# Altium PCB Spektrop2_Processor_Board_V1.PcbDoc (part 2 of 5) (continued)
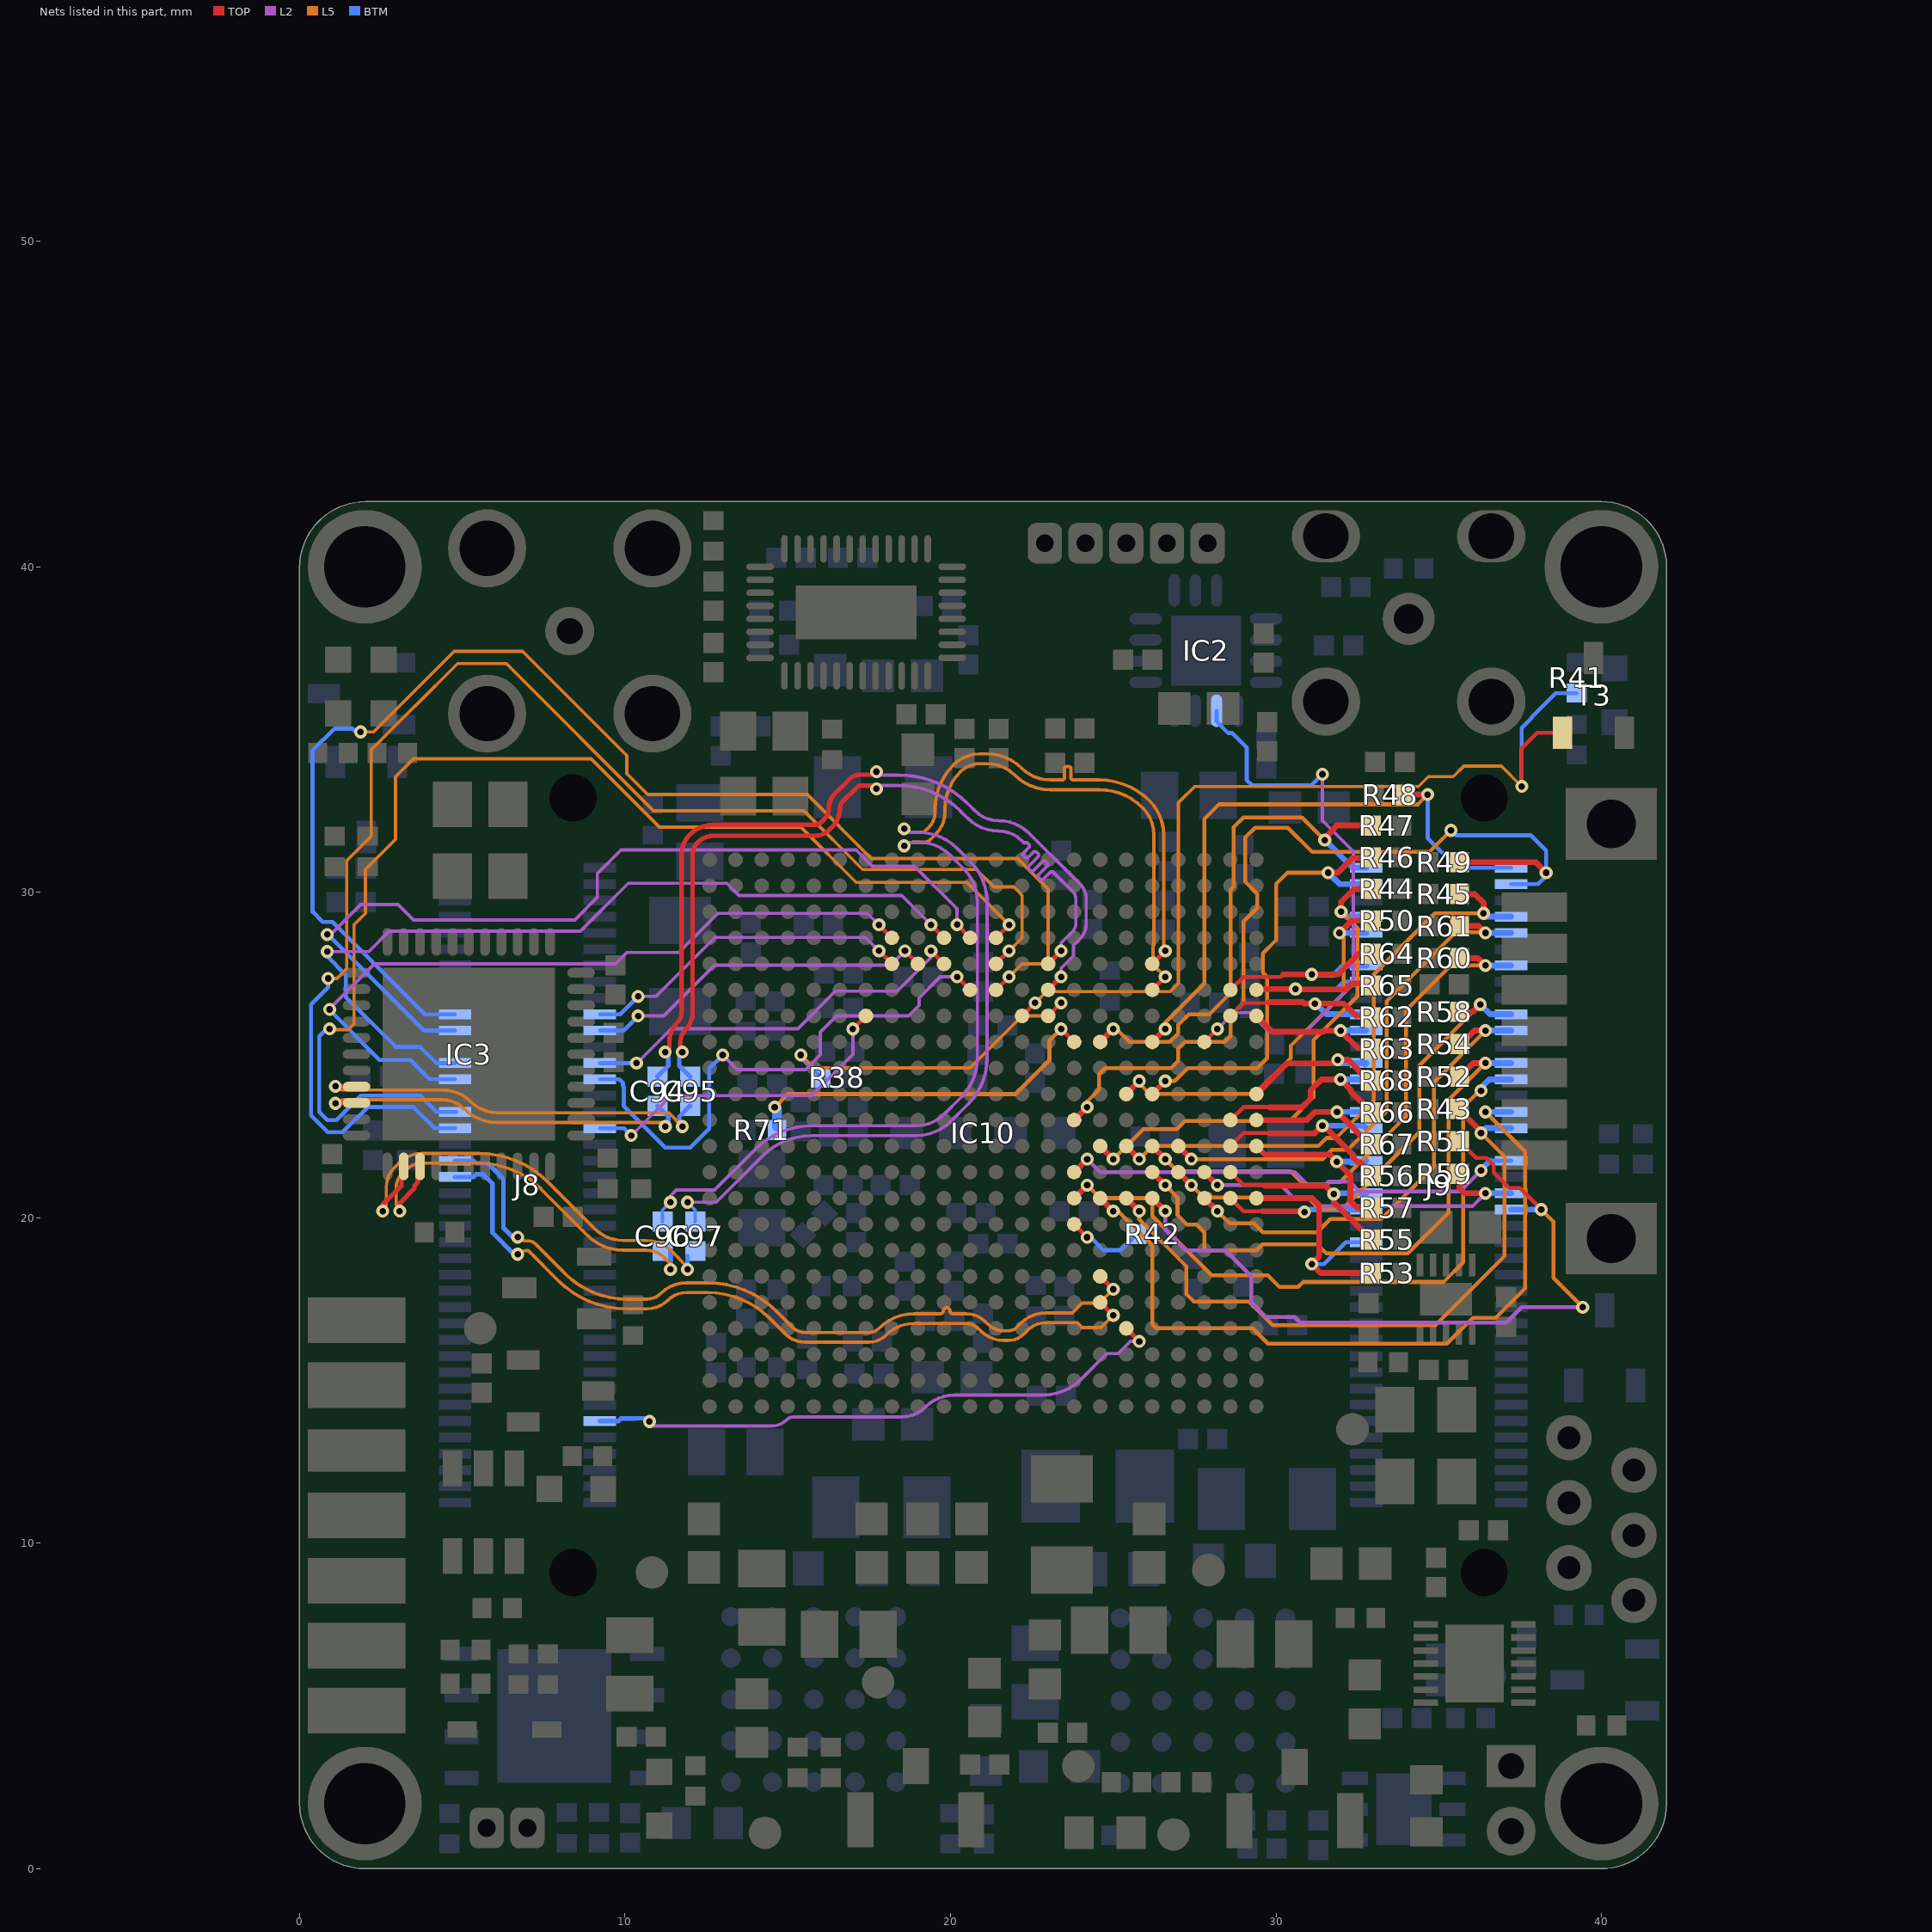
[diagram p8: the nets of this part, all layers, seen from the top]
## Part data (continued)
IC3: "Low-Jitter, 10 or 4-Output, Any-Frequency, Any-Output Clock Generator", Case=QFN44, Manufacturer="SILICON LABS", Author="CERN DEM JLC", Bonding=No, ComponentHeight=0.9mm, Component Type=Standard, CreateDate=14-Dec-17, Device=SI5340B-D-GM, HelpURL=\\cern.ch\dfs\Applications\Altium\Datasheets\SI5340B-D-GM.pdf, LatestRevisionDate=14-Dec-17, Manufacturer Part Number=SI5340B-D-GM, Mounted=Yes, PackageDescription="QFN,0.50mm Pitch, Square; 44 Pin, 7.00mm L X 7.00mm W X 0.90mm H Body (W/Thermal Tab 5.3mm X 5.3mm), IPC Medium Density", Part Description="Low-Jitter, 10 or 4-Output, Any-Frequency, Any-Output Clock Generator", Part Number=SI5340B-D-GM, Pin Count=45, PressFit=No, Sense=No, SMD=Yes, Socket=No
IC4 IC5: "3.6V-20V To 1.5V-12V, Dual 2A or Single 4A  Ultrathin Step-Down DC/DC µModule Regulator", Case=BGA25, Manufacturer="LINEAR TECHNOLOGY", Author="CERN DEM MR", Bonding=No, ComponentHeight=2.62mm, Component Type=Standard, CreateDate=29-Sep-17, Device=LTM4622AEY#PBF, HelpURL=\\cern.ch\dfs\Applications\Altium\Datasheets\LTM4622AEY#PBF.pdf, LatestRevisionDate=29-Sep-17, Manufacturer Part Number=LTM4622AEY#PBF, Mounted=Yes, PackageDescription="BGA, 1.27mm Pitch, Square; 25 Pin, 5 Columns X 5 Rows, 6.25mm X 6.25mm X 2.62mm H", Part Description="3.6V-20V To 1.5V-12V, Dual 2A or Single 4A  Ultrathin Step-Down DC/DC µModule Regulator", Part Number=LTM4622AEY#PBF, Pin Count=25, PressFit=No, Sense=No, SMD=Yes, Socket=No
IC8: "16Mbps Full Duplex RS-485 Transceivers with Low-Voltage Logic Interface", Case=SON14, Manufacturer=MAXIM, Author="CERN DEM JLC", Bonding=No, ComponentHeight=0.8mm, Component Type=Standard, CreateDate=18-Dec-17, Device=MAX13433EETD+, HelpURL=\\cern.ch\dfs\Applications\Altium\Datasheets\MAX13433EETD+.pdf, LatestRevisionDate=18-Dec-17, Manufacturer Part Number=MAX13433EETD+, Mounted=Yes, PackageDescription="SON, 0.40mm Pitch; 14 Pin, 3.00mm W X 3.00mm L X 0.80mm H Body (w/Thermal Tab1.8mm x 2.4mm)", Part Description="16Mbps Full Duplex RS-485 Transceivers with Low-Voltage Logic Interface", Part Number=MAX13433EETD+, Pin Count=15, PressFit=No, Sense=No, SMD=Yes, Socket=No
IC9: "12G UHD-SDI Re-timing Cable Driver", Case=QFN40, Manufacturer=SEMTECH, Author="CERN DEM JLC", Bonding=No, ComponentHeight=1mm, Component Type=Standard, CreateDate=21-Nov-17, Device=GS12281-INE3, HelpURL=\\cern.ch\dfs\Applications\Altium\Datasheets\GS12281-INE3.pdf, LatestRevisionDate=21-Nov-17, Manufacturer Part Number=GS12281-INE3, Mounted=Yes, PackageDescription="QFN, 0.40mm Pitch, Rect., Pin 1 on Short Dimension; 40 Pin, 4.00mm L X 6.00mm W X 1.00mm H Body (w/Thermal Tab 3.70 X 1.68 mm), IPC Medium Density", Part Description="12G UHD-SDI Re-timing Cable Driver", Part Number=GS12281-INE3, Pin Count=41, PressFit=No, Sense=No, SMD=Yes, Socket=No
IC10: "667 MHz Zynq™-7000 AP SoC, 130 PS I/O, 150 FPGA I/O, 484-Ball BGA, Speed Grade 2, Extended Grade, Pb-Free", Case=BGA484, Manufacturer=XILINX, Author="CERN DEM BC", Bonding=No, ComponentHeight=1.6mm, ComponentLink1Description=Package/Pinout, ComponentLink1URL=\\cern.ch\dfs\Applications\Altium\Datasheets\XC7Z015-2CLG485E_Package-Pinout.pdf, Component Type=Standard, CreateDate=7/21/2015, Device=XC7Z015-2CLG485E, HelpURL=\\cern.ch\dfs\Applications\Altium\Datasheets\XC7Z015-2CLG485E.pdf, LatestRevisionDate=7/21/2015, Manufacturer Part Number=XC7Z015-2CLG485E, Mounted=Yes, PackageDescription="BGA, 0.80mm Pitch, Square; 484 Pin, 22 Columns X 22 Rows, Body 19.00mm X 19.00mm X 1.60mm H, IPC Medium Density", Part Description="667 MHz Zynq™-7000 AP SoC, 130 PS I/O, 150 FPGA I/O, 484-Ball BGA, Speed Grade 2, Extended Grade, Pb-Free", Part Number=XC7Z015-2CLG485E, Pin Count=484, PressFit=No, Sense=No, SMD=Yes, Socket=No
IC11: "2-A Peak Sink / Source DDR Termination Regulator With VTTREF Buffered Reference for DDR2, DDR3 and DDR3L", Case=SON10, Manufacturer="TEXAS INSTRUMENTS", Author="CERN DEM JLC", Bonding=No, ComponentHeight=0.8mm, Component Type=Standard, CreateDate=22-Jan-15, Device=TPS51206DSQT, HelpURL=\\cern.ch\dfs\Applications\Altium\Datasheets\TPS51206DSQT.pdf, LatestRevisionDate=30-Mar-17, Manufacturer Part Number=TPS51206DSQT, Mounted=Yes, PackageDescription="SON, 0.40mm Pitch; 10 Pin, 2.00mm W X 2.00mm L X 0.80mm H Body, (w/thermal tab 1.00 X 1.60 mm), IPC Medium Density", Part Description="2A Peak Sink / Source DDR Termination Regulator With VTTREF Buffered Reference for DDR2, DDR3 and DDR3L", Part Number=TPS51206DSQT, Pin Count=11, PressFit=No, Sense=No, SMD=Yes, Socket=No, Status="Not Recommended"
IC12: "128 Mbit (16 Mbyte), 3.0 V Quad SPI FL-L  NOR Flash Memory", Case=SON8, Manufacturer=CYPRESS, Author="CERN DEM MR", Bonding=No, ComponentHeight=0.8mm, Component Type=Standard, CreateDate=07-Aug-17, Device=S25FL128LAGNFV01, HelpURL=\\cern.ch\dfs\Applications\Altium\Datasheets\S25FL128LAGNFV01.pdf, LatestRevisionDate=07-Aug-17, Manufacturer Part Number=S25FL128LAGNFV01, Mounted=Yes, PackageDescription="SON, 1.27mm pitch, 8 pin, 6.00mm W X 5.00mm L X 0.80mm H body (w/thermal tab  3.50 X 4.10 mm), IPC Medium Density", Part Description="128 Mbit (16 Mbyte), 3.0 V Quad SPI FL-L  NOR Flash Memory", Part Number=S25FL128LAGNFV01, Pin Count=9, PressFit=No, Sense=No, SMD=Yes, Socket=No
IC13: "1A Low Dropout CMOS Linear Regulators Stable with Ceramic Output Capacitors", Case=SON6, Manufacturer="TEXAS INSTRUMENTS", Author="CERN DEM MR", Bonding=No, ComponentHeight=0.8mm, Component Type=Standard, CreateDate=30-Jun-17, Device=LP38693SDX-5.0/NOPB, HelpURL=\\cern.ch\dfs\Applications\Altium\Datasheets\LP38693SDX-5.0-NOPB.pdf, LatestRevisionDate=30-Jun-17, Manufacturer Part Number=LP38693SDX-5.0/NOPB, Mounted=Yes, PackageDescription="SON, 0.95mm Pitch; 6 Pin, 3.00mm W X 3mm L X 0.80mm H body (w/Thermal Tab 1.7mm x 2.2mm)", Part Description="5V, 1A Low Dropout CMOS Linear Regulators Stable With Ceramic Output Capacitors", Part Number=LP38693SDX-5.0/NOPB, Pin Count=7, PressFit=No, Sense=No, SMD=Yes, Socket=No
J1: library part AMPHENOL_282139-75, Manufacturer=AMPHENOL, Manufacturer Part Number=282139-75, Author="CERN DEM JLC", ComponentHeight=7.4mm, Component Type=Standard, CreateDate=16-Nov-17, Family=75R, HelpURL=\\cern.ch\dfs\Applications\Altium\Datasheets\AMPHENOL_282139-75.pdf, LatestRevisionDate=16-Nov-17, Mounted=Yes, Part Description="75 Ohm 1.0/2.3 Right Angle Through Hole PCB Jack", Part Number=AMPHENOL_282139-75, Pin Count=2, PressFit=No, Sense=No, SMD=No, Socket=No, Status=None
J2: library part MOLEX_53047-0210, "Connector 2 Male", Manufacturer=MOLEX, Manufacturer Part Number=53047-0210, Author="CERN DEM JLC", ComponentHeight=4.2mm, Component Type=Standard, CreateDate=20-Mar-13, Family=PicoBlade, HelpURL=\\cern.ch\dfs\Applications\Altium\Datasheets\MOLEX_53047-0210.pdf, LatestRevisionDate=20-Mar-13, Mounted=Yes, Part Description="1.25mm Pitch PicoBlade™ Wire-to-Board 2 Circuits Vertical Header with Friction Lock", Part Number=MOLEX_53047-0210, Pin Count=2, PressFit=No, Sense=No, SMD=No, Socket=No, Status=None
J6: library part MOLEX_52030-0629, "Connector 6 Female", Manufacturer=MOLEX, Manufacturer Part Number=52030-0629, Author="CERN DEM JLC", ComponentHeight=6.7mm, Component Type=Standard, CreateDate=05-Nov-14, Family=FFC/FPC, HelpURL=\\cern.ch\dfs\Applications\Altium\Datasheets\MOLEX_52030-0629.pdf, LatestRevisionDate=05-Dec-14, Mounted=Yes, Part Description="6 Contacts, 1.0mm Pitch, Vertical Through-Hole FFC/FPC Connector", Part Number=MOLEX_52030-0629, Pin Count=6, PressFit=No, Sense=No, SMD=No, Socket=No, Status=None
J7: library part 3M_5607-4200-SH, "7 Pin + 1 Shield SATA Receptacle", Manufacturer=3M, Manufacturer Part Number=5607-4200-SH, Author="CERN DEM JLC", ComponentHeight=4mm, Component Type=Standard, CreateDate=14-Feb-11, Family=SATA, HelpURL=\\cern.ch\dfs\Applications\Altium\Datasheets\3M_5607-4200-SH.pdf, LatestRevisionDate=31-May-11, Mounted=Yes, Part Description="Signal Plug, Surfacemount, Right Angle,  Serial Advanced Technology Attachment (SATA) Connector, 5607 Series", Part Number=3M_5607-4200-SH, Pin Count=8, PressFit=No, Sense=No, SMD=Yes, Socket=No, Status=None
J8 J9: library part SAMTEC_ERF5-040-05.0-L-DV-K, "Connector 80 Female", Manufacturer=SAMTEC, Manufacturer Part Number=ERF5-040-05.0-L-DV-K, Author="CERN DEM MR", ComponentHeight=4.91mm, Component Type=Standard, CreateDate=10-Mar-16, Family="Socket 80", HelpURL=\\cern.ch\dfs\Applications\Altium\Datasheets\SAMTEC_ERF5-040-05.0-L-DV-K.pdf, LatestRevisionDate=10-Mar-16, Mounted=Yes, Part Description="80 Contacts, Pitch 0.5mm, Edge Rate™ Rugged High Speed Straight Socket Strip", Part Number=SAMTEC_ERF5-040-05.0-L-DV-K, Pin Count=80, PressFit=No, Sense=No, SMD=Yes, Socket=No, Status=None
J10: library part AMPHENOL_34-1030-12G, Manufacturer=AMPHENOL-RF, Manufacturer Part Number=34-1030-12G, Author="CERN DEM JLC", ComponentHeight=8.5mm, Component Type=Standard, CreateDate=21-Feb-17, Family=HD-BNC, HelpURL=\\cern.ch\dfs\Applications\Altium\Datasheets\AMPHENOL_34-1030-12G.pdf, LatestRevisionDate=21-Feb-17, Mounted=Yes, Part Description="75 Ohms HD-BNC Right Angle PCB Receptacle (Jack)", Part Number=AMPHENOL_34-1030-12G, Pin Count=2, PressFit=No, Sense=No, SMD=No, Socket=No, Status=None
J11: library part MOLEX_87831-1420_h, "Connector 14 Male", Manufacturer=MOLEX, Manufacturer Part Number=87831-1420, Author="CERN DEM JLC", ComponentHeight=3.15mm, Component Type=Standard, CreateDate=13-Apr-10, Family=Milli-Grid™, HelpURL=\\cern.ch\dfs\Applications\Altium\Datasheets\MOLEX_87831-1420.pdf, LatestRevisionDate=13-Apr-10, Mounted=Yes, Part Description="2.00mm (.079\") Pitch Milli-Grid™ Header, Vertical, Shrouded, Center Polarization Slot, Locking Window, 14 Circuits (Customized PCB Edge assembly)", Part Number=MOLEX_87831-1420_h, Pin Count=14, PressFit=No, Sense=No, SMD=No, Socket=No, Status=None
J12: library part HARWIN_M22-2510205, "Connector 2 Male", Manufacturer=HARWIN, Manufacturer Part Number=M22-2510205, Author="CERN DEM JLC", ComponentHeight=5mm, Component Type=Standard, CreateDate=21-Jan-15, Family="Header 2", HelpURL=\\cern.ch\dfs\Applications\Altium\Datasheets\HARWIN_M22-2510205.pdf, LatestRevisionDate=14-Apr-15, Mounted=Yes, Part Description="2 Contacts - Pitch 2mm - Single Row Through Mount Straight Header (Post Lead = 3.5mm, Tail Lead 2.3mm, Insulator 1.5mm)", Part Number=HARWIN_M22-2510205, Pin Count=2, PressFit=No, Sense=No, SMD=No, Socket=No, Status=None
J13: library part MOLEX_53047-0510, "Connector 5 Male", Manufacturer=MOLEX, Manufacturer Part Number=53047-0510, Author="CERN DEM JLC", ComponentHeight=4.2mm, Component Type=Standard, CreateDate=12-Mar-13, Family=PicoBlade, HelpURL=\\cern.ch\dfs\Applications\Altium\Datasheets\MOLEX_53047-0510.pdf, LatestRevisionDate=12-Mar-13, Mounted=Yes, Part Description="1.25mm Pitch PicoBlade™ Wire-to-Board 5 Circuits Vertical Header with Friction Lock", Part Number=MOLEX_53047-0510, Pin Count=5, PressFit=No, Sense=No, SMD=No, Socket=No, Status=None
L2 L3 L4 L5 L6 L7 L8 L9 L10 L11 L12: library part IND0603_MURATA_BLM18SG121TN1D, "Inductor", Case=0603, Manufacturer=MURATA, Manufacturer Part Number=BLM18SG121TN1D, Power=3A, Resistance=0.025R, Tolerance=±25%, Author="CERN DEM JLC", ComponentHeight=0.65mm, Component Type=Standard, HelpURL=\\cern.ch\dfs\Applications\Altium\Datasheets\IND0603_MURATA_BLM18S.pdf, Mounted=Yes, Part Description="SMD EMIFIL Suppression Chip Ferrite Bead", Part Number=IND0603_MURATA_BLM18SG121TN1D, Pin Count=2, Sense=No, SMD=Yes, Socket=No, Status=None
  L2 L3 L4 L5 L6 L7 L8: CreateDate=23.07.2014, LatestRevisionDate=23.07.2014
  L9 L10 L11: ClassName=Artix, CreateDate=23.07.2014, LatestRevisionDate=23.07.2014
  L12: CreateDate=7/23/2014, LatestRevisionDate=7/23/2014
LD1 LD5 LD6 LD7 LD8: library part LED_KINGBRIGHT_KPH-1608CGCK, "LED Green 1C 2A", Manufacturer=KINGBRIGHT, Manufacturer Part Number=KPH-1608CGCK, Author="CERN DEM JLC", Bonding=No, Color=Green, ComponentHeight=0.65mm, Component Type=Standard, CreateDate=03-Jul-17, HelpURL=\\cern.ch\dfs\Applications\Altium\Datasheets\LED_KINGBRIGHT_KPH-1608CGCK.pdf, LatestRevisionDate=03-Jul-17, Mounted=Yes, PackageDescription="SMT Green LED, Case 0603, Body L 1.6 x W 0.8mm H 0.65mm", Part Description="SMD Green LED, Case 1.6mmX0.8mm(0603), 0.65mm Thickness", Part Number=LED_KINGBRIGHT_KPH-1608CGCK, Pin Count=2, PressFit=No, Sense=No, SMD=Yes, Socket=No
OSC1: library part OSC_27MHZ_EPSON_SG-210SEB, "Oscillator 4 pins 1=\ST 2=GND 3=OUT 4=VCC", Manufacturer="EPSON TOYOCOM", Manufacturer Part Number="SG-210SEB C 27MHZ", Author="CERN DEM JLC", Bonding=No, ComponentHeight=0.9mm, ComponentLink1Description="Ordering Informations", ComponentLink1URL=\\cern.ch\dfs\Applications\Altium\Datasheets\OSC_EPSON_SG-210_Ordering-Informations.pdf, Component Type=Standard, CreateDate=05-Oct-09, HelpURL=\\cern.ch\dfs\Applications\Altium\Datasheets\OSC_EPSON_SG-210.pdf, LatestRevisionDate=05-Oct-09, Mounted=Yes, PackageDescription="Oscillator, corner concave; 4 pin, 2.50mm L X 2.00mm W X 0.90mm H, IPC Medium Density", Part Description="1.8V Surface Mount Crystal Oscillator With Standby Function (SG-210 Series)", Part Number=OSC_27MHZ_EPSON_SG-210SEB, Pin Count=4, PressFit=No, Sense=No, SMD=Yes, Socket=No
OSC2: library part OSC_33.33333MHZ_SI-TIME_SiT1602AC-23-18E, "Oscillator 4 pins 1=OE 2=GND 3=OUT 4=VDD", Manufacturer="SI TIME", Manufacturer Part Number=SiT1602AC-23-18E-33.33333, Author="CERN DEM JLC", Bonding=No, ComponentHeight=0.8mm, Component Type=Standard, CreateDate=08-Jul-14, HelpURL=\\cern.ch\dfs\Applications\Altium\Datasheets\OSC_SI-TIME_SiT1602.pdf, LatestRevisionDate=22-Oct-14, Mounted=Yes, PackageDescription="Si Time Oscillators, 4 Pin, Pitch 2.1mm, 3.2mm x 2.5mm x0.75mm", Part Description="1.8V, ±50ppm, 15pF, -20..70°C, 3.2x2.5mm Surface Mount LVCMOS/HCMOS Low Power Frequency Oscillator (SiT1602 Series)", Part Number=OSC_33.33333MHZ_SI-TIME_SiT1602AC-23-18E, Pin Count=4, PressFit=No, Sense=No, SMD=Yes, Socket=No
PB1 PB2: library part PB_OMRON_B3U-1100P, "Push-Button Switch SPDT", Manufacturer=OMRON, Author="CERN DEM JLC", ComponentHeight=1.75mm, Component Type=Standard, CreateDate=3/16/2010, Family="Push Button", HelpURL=\\cern.ch\dfs\Applications\Altium\Datasheets\PB_OMRON_B3U-1100P.pdf, LatestRevisionDate=3/16/2010, Manufacturer Part Number=PB_OMRON_B3U-1100P, Mounted=Yes, PackageDescription="Body 1.2x3x2.5mm Ultra-Small Tactile SPST Pushbutton Switch, (with Ground Terminal), OMRON B3U Series", Part Description="3x2.5mm Ultra-Small Tactile SPST Pushbutton Switch (with Ground Terminal),Contact Rating 50mA 12VDC, B3U Series", Part Number=PB_OMRON_B3U-1100P, Pin Count=3, PressFit=No, Sense=No, SMD=Yes, Socket=No, Status=None
Q1: library part XTAL_48MHZ_TXC_7M-48.000MAHV, "Crystal 4 pins 1=XTAL Control 2=GND3=XTAL 4=GND", Manufacturer="TXC CORPORATION", Manufacturer Part Number=7M-48.000MAHV, Author="CERN DEM MR", Bonding=No, ComponentHeight=0.8mm, Component Type=Standard, CreateDate=30-May-16, HelpURL=\\cern.ch\dfs\Applications\Altium\Datasheets\XTAL_TXC_7M.pdf, LatestRevisionDate=30-May-16, Mounted=Yes, PackageDescription="4 Pins, 2.5x3.2mm, SMD Sealing Crystal, 7M Serie", Part Description="±30ppm 8pF -40°C to +85°C  4 Pins, 3.2x2.5X0.8mm, SMD Sealing Crystal, 7M Series", Part Number=XTAL_48MHZ_TXC_7M-48.000MAHV, Pin Count=4, PressFit=No, Sense=No, SMD=Yes, Socket=No
R5 R34: library part R0402_75R_1%_0.0625W_100PPM, "Resistor - 1%", Case=0402, Manufacturer=GENERIC, Manufacturer1 ComponentHeight=0.4mm, Manufacturer1 Example="YAGEO PHYCOMP", Manufacturer1 Part Number=232270677509L, Power=0.0625W, Tolerance=±1%, Author="CERN DEM JLC", Component Type=Standard, HelpURL=\\cern.ch\dfs\Applications\Altium\Datasheets\R0402_Phycomp_RC0402.pdf, Manufacturer Part Number=R0402_75R_1%_0.0625W_100PPM, Mounted=Yes, Part Description="General Purpose Thick Film Chip Resistor", Part Number=R0402_75R_1%_0.0625W_100PPM, Pin Count=2, PressFit=No, Sense=No, SMD=Yes, Socket=No, Status="Not Recommended", TC=±100ppm/°C
  R5: CreateDate=12/3/2007, LatestRevisionDate=10/17/2012
  R34: CreateDate=03-Dec-07, LatestRevisionDate=17-Oct-12
R6 R7 R8 R9 R10 R11 R31 R33 R37 R40 R76: library part R0402_4K7_1%_0.0625W_100PPM, "Resistor - 1%", Case=0402, Manufacturer=GENERIC, Manufacturer1 ComponentHeight=0.4mm, Manufacturer1 Example="YAGEO PHYCOMP", Manufacturer1 Part Number=232270674702L, Power=0.0625W, Tolerance=±1%, Author="CERN DEM JLC", Component Type=Standard, HelpURL=\\cern.ch\dfs\Applications\Altium\Datasheets\R0402_Phycomp_RC0402.pdf, Manufacturer Part Number=R0402_4K7_1%_0.0625W_100PPM, Mounted=Yes, Part Description="General Purpose Thick Film Chip Resistor", Part Number=R0402_4K7_1%_0.0625W_100PPM, Pin Count=2, PressFit=No, Sense=No, SMD=Yes, Socket=No, Status="Not Recommended", TC=±100ppm/°C
  R6 R7 R8 R9 R10 R11 R37 R40 R76: CreateDate=12/3/2007, LatestRevisionDate=10/17/2012
  R31 R33: CreateDate=03-Dec-07, LatestRevisionDate=17-Oct-12
R12 R15 R18 R19 R83: library part R0402_10K_1%_0.0625W_100PPM, "Resistor - 1%", Case=0402, Manufacturer=GENERIC, Manufacturer1 ComponentHeight=0.4mm, Manufacturer1 Example="YAGEO PHYCOMP", Manufacturer1 Part Number=232270671003L, Power=0.0625W, Tolerance=±1%, Author="CERN DEM JLC", Component Type=Standard, HelpURL=\\cern.ch\dfs\Applications\Altium\Datasheets\R0402_Phycomp_RC0402.pdf, Manufacturer Part Number=R0402_10K_1%_0.0625W_100PPM, Mounted=Yes, Part Description="General Purpose Thick Film Chip Resistor", Part Number=R0402_10K_1%_0.0625W_100PPM, Pin Count=2, PressFit=No, Sense=No, SMD=Yes, Socket=No, Status="Not Recommended", TC=±100ppm/°C
  R12 R15 R18 R19: CreateDate=03-Dec-07, LatestRevisionDate=17-Oct-12
  R83: CreateDate=12/3/2007, LatestRevisionDate=10/17/2012
R13: library part R0603_60K4_0.1%_0.063W_10PPM, "Resistor - 0.1%", Case=0603, Manufacturer=GENERIC, Manufacturer1 ComponentHeight=0.5mm, Manufacturer1 Example="TYCO HOLSWORTHY", Manufacturer1 Part Number=RN73C1J60K4BTDF, Power=0.063W, Tolerance=±0.1%, Author="CERN DEM JLC", Component Type=Standard, CreateDate=03-Dec-07, HelpURL=\\cern.ch\dfs\Applications\Altium\Datasheets\R0603_Tyco_RN73.pdf, LatestRevisionDate=13-Mar-08, Manufacturer Part Number=R0603_60K4_0.1%_0.063W_10PPM, Mounted=Yes, Part Description="Thin Film Chip Resistor", Part Number=R0603_60K4_0.1%_0.063W_10PPM, Pin Count=2, PressFit=No, Sense=No, SMD=Yes, Socket=No, Status="Not Recommended", TC=±10ppm
R14: library part R0603_90K9_0.1%_0.063W_10PPM, "Resistor - 0.1%", Case=0603, Manufacturer=GENERIC, Manufacturer1 ComponentHeight=0.5mm, Manufacturer1 Example="TYCO HOLSWORTHY", Manufacturer1 Part Number=RN73C1J90K9BTDF, Power=0.063W, Tolerance=±0.1%, Author="CERN DEM JLC", Component Type=Standard, CreateDate=03-Dec-07, HelpURL=\\cern.ch\dfs\Applications\Altium\Datasheets\R0603_Tyco_RN73.pdf, LatestRevisionDate=13-Mar-08, Manufacturer Part Number=R0603_90K9_0.1%_0.063W_10PPM, Mounted=Yes, Part Description="Thin Film Chip Resistor", Part Number=R0603_90K9_0.1%_0.063W_10PPM, Pin Count=2, PressFit=No, Sense=No, SMD=Yes, Socket=No, Status="Not Recommended", TC=±10ppm
R16: library part R0603_30K1_0.1%_0.063W_10PPM, "Resistor - 0.1%", Case=0603, Manufacturer=GENERIC, Manufacturer1 ComponentHeight=0.5mm, Manufacturer1 Example="TYCO HOLSWORTHY", Manufacturer1 Part Number=RN73C1J30K1BTDF, Power=0.063W, Tolerance=±0.1%, Author="CERN DEM JLC", Component Type=Standard, CreateDate=03-Dec-07, HelpURL=\\cern.ch\dfs\Applications\Altium\Datasheets\R0603_Tyco_RN73.pdf, LatestRevisionDate=13-Mar-08, Manufacturer Part Number=R0603_30K1_0.1%_0.063W_10PPM, Mounted=Yes, Part Description="Thin Film Chip Resistor", Part Number=R0603_30K1_0.1%_0.063W_10PPM, Pin Count=2, PressFit=No, Sense=No, SMD=Yes, Socket=No, Status="Not Recommended", TC=±10ppm
R17: library part R0603_13K3_0.1%_0.063W_10PPM, "Resistor - 0.1%", Case=0603, Manufacturer=GENERIC, Manufacturer1 ComponentHeight=0.5mm, Manufacturer1 Example="TYCO HOLSWORTHY", Manufacturer1 Part Number=RN73C1J13K3BTDF, Power=0.063W, Tolerance=±0.1%, Author="CERN DEM JLC", Component Type=Standard, CreateDate=03-Dec-07, HelpURL=\\cern.ch\dfs\Applications\Altium\Datasheets\R0603_Tyco_RN73.pdf, LatestRevisionDate=13-Mar-08, Manufacturer Part Number=R0603_13K3_0.1%_0.063W_10PPM, Mounted=Yes, Part Description="Thin Film Chip Resistor", Part Number=R0603_13K3_0.1%_0.063W_10PPM, Pin Count=2, PressFit=No, Sense=No, SMD=Yes, Socket=No, Status="Not Recommended", TC=±10ppm
R20: library part R0603_324K_1%_0.1W_100PPM, "Resistor - 1%", Case=0603, Manufacturer=GENERIC, Manufacturer1 ComponentHeight=0.55mm, Manufacturer1 Example=VISHAY, Manufacturer1 Part Number=CRCW0603324KFKEA, Power=0.1W, Tolerance=±1%, Author="CERN DEM JLC", Component Type=Standard, CreateDate=29-Apr-10, HelpURL="\\cern.ch\dfs\Applications\Altium\Datasheets\R0603_VISHAY_CRCW e3.pdf", LatestRevisionDate=11-Dec-13, Manufacturer Part Number=R0603_324K_1%_0.1W_100PPM, Mounted=Yes, Part Description="General Purpose Thick Film Chip Resistor", Part Number=R0603_324K_1%_0.1W_100PPM, Pin Count=2, PressFit=No, Sense=No, SMD=Yes, Socket=No, Status=Preferred, TC=±100ppm/°C
R21: library part R0402_10k_1%_0.0625W_100PPM, "Resistor - 1%", Case=0402, Manufacturer=GENERIC, Manufacturer1 ComponentHeight=0.4mm, Manufacturer1 Example="YAGEO PHYCOMP", Manufacturer1 Part Number=232270671003L, Manufacturer Part Number=R0402_10K_1%_0.0625W_100PPM, Power=0.0625W, Tolerance=±1%, Author="CERN DEM JLC", Component Type=Standard, CreateDate=03.12.2007, HelpURL=\\cern.ch\dfs\Applications\Altium\Datasheets\R0402_Phycomp_RC0402.pdf, LatestRevisionDate=17.10.2012, Mounted=Yes, Part Description="General Purpose Thick Film Chip Resistor", Part Number=R0402_10K_1%_0.0625W_100PPM, Pin Count=2, PressFit=No, Sense=No, SMD=Yes, Socket=No, Status="Not Recommended", TC=±100ppm/°C
R32 R42 R71 R74: library part R0402_100R_1%_0.0625W_100PPM, "Resistor - 1%", Case=0402, Manufacturer=GENERIC, Manufacturer1 ComponentHeight=0.4mm, Manufacturer1 Example="YAGEO PHYCOMP", Manufacturer1 Part Number=232270671001L, Power=0.0625W, Tolerance=±1%, Author="CERN DEM JLC", Component Type=Standard, CreateDate=03-Dec-07, HelpURL=\\cern.ch\dfs\Applications\Altium\Datasheets\R0402_Phycomp_RC0402.pdf, LatestRevisionDate=17-Oct-12, Manufacturer Part Number=R0402_100R_1%_0.0625W_100PPM, Mounted=Yes, Part Description="General Purpose Thick Film Chip Resistor", Part Number=R0402_100R_1%_0.0625W_100PPM, Pin Count=2, PressFit=No, Sense=No, SMD=Yes, Socket=No, Status="Not Recommended", TC=±100ppm/°C
R35 R36 R75: library part R0402_22R_1%_0.0625W_100PPM, "Resistor - 1%", Case=0402, Manufacturer=GENERIC, Manufacturer1 ComponentHeight=0.4mm, Manufacturer1 Example="YAGEO PHYCOMP", Manufacturer1 Part Number=232270672209L, Power=0.0625W, Tolerance=±1%, Author="CERN DEM JLC", Component Type=Standard, HelpURL=\\cern.ch\dfs\Applications\Altium\Datasheets\R0402_Phycomp_RC0402.pdf, Manufacturer Part Number=R0402_22R_1%_0.0625W_100PPM, Mounted=Yes, Part Description="General Purpose Thick Film Chip Resistor", Part Number=R0402_22R_1%_0.0625W_100PPM, Pin Count=2, PressFit=No, Sense=No, SMD=Yes, Socket=No, Status="Not Recommended", TC=±100ppm/°C
  R35: CreateDate=03-Dec-07, LatestRevisionDate=17-Oct-12
  R36 R75: CreateDate=12/3/2007, LatestRevisionDate=10/17/2012
R38 R91: library part R0402_0R_JUMPER, "Resistor", Case=0402, Manufacturer=GENERIC, Manufacturer1 ComponentHeight=0.4mm, Manufacturer1 Example="YAGEO PHYCOMP", Manufacturer1 Part Number=232270591001L, Author="CERN DEM JLC", Component Type=Standard, CreateDate=03-Dec-07, HelpURL=\\cern.ch\dfs\Applications\Altium\Datasheets\R0402_Phycomp_RC0402.pdf, LatestRevisionDate=17-Oct-12, Manufacturer Part Number=R0402_0R_JUMPER, Mounted=Yes, Part Description="1A (0.05R Max DC Resistance) Zero Ohm Jumper", Part Number=R0402_0R_JUMPER, Pin Count=2, PressFit=No, Sense=No, SMD=Yes, Socket=No, Status="Not Recommended"
R39 R69 R70 R82: library part R0402_1k_1%_0.0625W_100PPM, "Resistor - 1%", Case=0402, Manufacturer=GENERIC, Manufacturer1 ComponentHeight=0.4mm, Manufacturer1 Example="YAGEO PHYCOMP", Manufacturer1 Part Number=232270671002L, Manufacturer Part Number=R0402_1K_1%_0.0625W_100PPM, Power=0.0625W, Tolerance=±1%, Author="CERN DEM JLC", Component Type=Standard, CreateDate=03.12.2007, HelpURL=\\cern.ch\dfs\Applications\Altium\Datasheets\R0402_Phycomp_RC0402.pdf, LatestRevisionDate=17.10.2012, Mounted=Yes, Part Description="General Purpose Thick Film Chip Resistor", Part Number=R0402_1K_1%_0.0625W_100PPM, Pin Count=2, PressFit=No, Sense=No, SMD=Yes, Socket=No, Status="Not Recommended", TC=±100ppm/°C
  R39: ClassName=Artix
R41: library part R0402_330R_1%_0.0625W_100PPM, "Resistor - 1%", Case=0402, Manufacturer=GENERIC, Manufacturer1 ComponentHeight=0.4mm, Manufacturer1 Example="YAGEO PHYCOMP", Manufacturer1 Part Number=232270673301L, Power=0.0625W, Tolerance=±1%, Author="CERN DEM JLC", Component Type=Standard, CreateDate=03-Dec-07, HelpURL=\\cern.ch\dfs\Applications\Altium\Datasheets\R0402_Phycomp_RC0402.pdf, LatestRevisionDate=17-Oct-12, Manufacturer Part Number=R0402_330R_1%_0.0625W_100PPM, Mounted=Yes, Part Description="General Purpose Thick Film Chip Resistor", Part Number=R0402_330R_1%_0.0625W_100PPM, Pin Count=2, PressFit=No, Sense=No, SMD=Yes, Socket=No, Status="Not Recommended", TC=±100ppm/°C
R43 R44 R45 R46 R47 R48 R49 R50 R51 R52 R53 R54 R55 R56 R57 R58 R59 R60 R61 R62 R63 R64 R65 R66 R67 R68: library part R0402_49R9_1%_0.0625W_100PPM, "Resistor - 1%", Case=0402, Manufacturer=GENERIC, Manufacturer1 ComponentHeight=0.4mm, Manufacturer1 Example="YAGEO PHYCOMP", Manufacturer1 Part Number="232270674999L or RC0402FR-0749R9L", Power=0.0625W, Tolerance=±1%, Author="CERN DEM JLC", Component Type=Standard, CreateDate=24-Oct-12, HelpURL=\\cern.ch\dfs\Applications\Altium\Datasheets\R0402_Phycomp_RC0402.pdf, LatestRevisionDate=24-Oct-12, Manufacturer Part Number=R0402_49R9_1%_0.0625W_100PPM, Mounted=Yes, Part Description="General Purpose Thick Film Chip Resistor", Part Number=R0402_49R9_1%_0.0625W_100PPM, Pin Count=2, PressFit=No, Sense=No, SMD=Yes, Socket=No, Status="Not Recommended", TC=±100ppm/°C
R72 R88 R89: library part R0402_NO-VALUE, "Resistor", Case=0402, Author="CERN DEM JLC", Component Type=Standard, CreateDate=03-Dec-07, HelpURL=Undefined, LatestRevisionDate=13-Mar-08, Manufacturer=Undefined, Manufacturer1 ComponentHeight=Undefined, Manufacturer1 Example=Undefined, Manufacturer1 Part Number=Undefined, Manufacturer Part Number=R0402_NO-VALUE, Mounted=No, Part Description="Reserved Footprint For a 0402 (1005) Chip Resistor", Part Number=R0402_NO-VALUE, Pin Count=2, PressFit=No, Sense=No, SMD=Yes, Socket=No, Status=None
R73 R87: library part R0402_1K_1%_0.0625W_100PPM, "Resistor - 1%", Case=0402, Manufacturer=GENERIC, Manufacturer1 ComponentHeight=0.4mm, Manufacturer1 Example="YAGEO PHYCOMP", Manufacturer1 Part Number=232270671002L, Power=0.0625W, Tolerance=±1%, Author="CERN DEM JLC", Component Type=Standard, CreateDate=03-Dec-07, HelpURL=\\cern.ch\dfs\Applications\Altium\Datasheets\R0402_Phycomp_RC0402.pdf, LatestRevisionDate=17-Oct-12, Manufacturer Part Number=R0402_1K_1%_0.0625W_100PPM, Mounted=Yes, Part Description="General Purpose Thick Film Chip Resistor", Part Number=R0402_1K_1%_0.0625W_100PPM, Pin Count=2, PressFit=No, Sense=No, SMD=Yes, Socket=No, Status="Not Recommended", TC=±100ppm/°C
R77 R78 R79 R80 R81 R84 R85 R86: library part R0402_20K_1%_0.0625W_100PPM, "Resistor - 1%", Case=0402, Manufacturer=GENERIC, Manufacturer1 ComponentHeight=0.4mm, Manufacturer1 Example="YAGEO PHYCOMP", Manufacturer1 Part Number=232270672003L, Power=0.0625W, Tolerance=±1%, Author="CERN DEM JLC", Component Type=Standard, HelpURL=\\cern.ch\dfs\Applications\Altium\Datasheets\R0402_Phycomp_RC0402.pdf, Manufacturer Part Number=R0402_20K_1%_0.0625W_100PPM, Mounted=Yes, Part Description="General Purpose Thick Film Chip Resistor", Part Number=R0402_20K_1%_0.0625W_100PPM, Pin Count=2, PressFit=No, Sense=No, SMD=Yes, Socket=No, Status="Not Recommended", TC=±100ppm/°C
  R77 R78 R79 R80 R81 R85 R86: CreateDate=12/3/2007, LatestRevisionDate=10/17/2012
  R84: CreateDate=03-Dec-07, LatestRevisionDate=17-Oct-12